# Altium PCB Mainboard.PcbDoc (part 3 of 4) (continued)
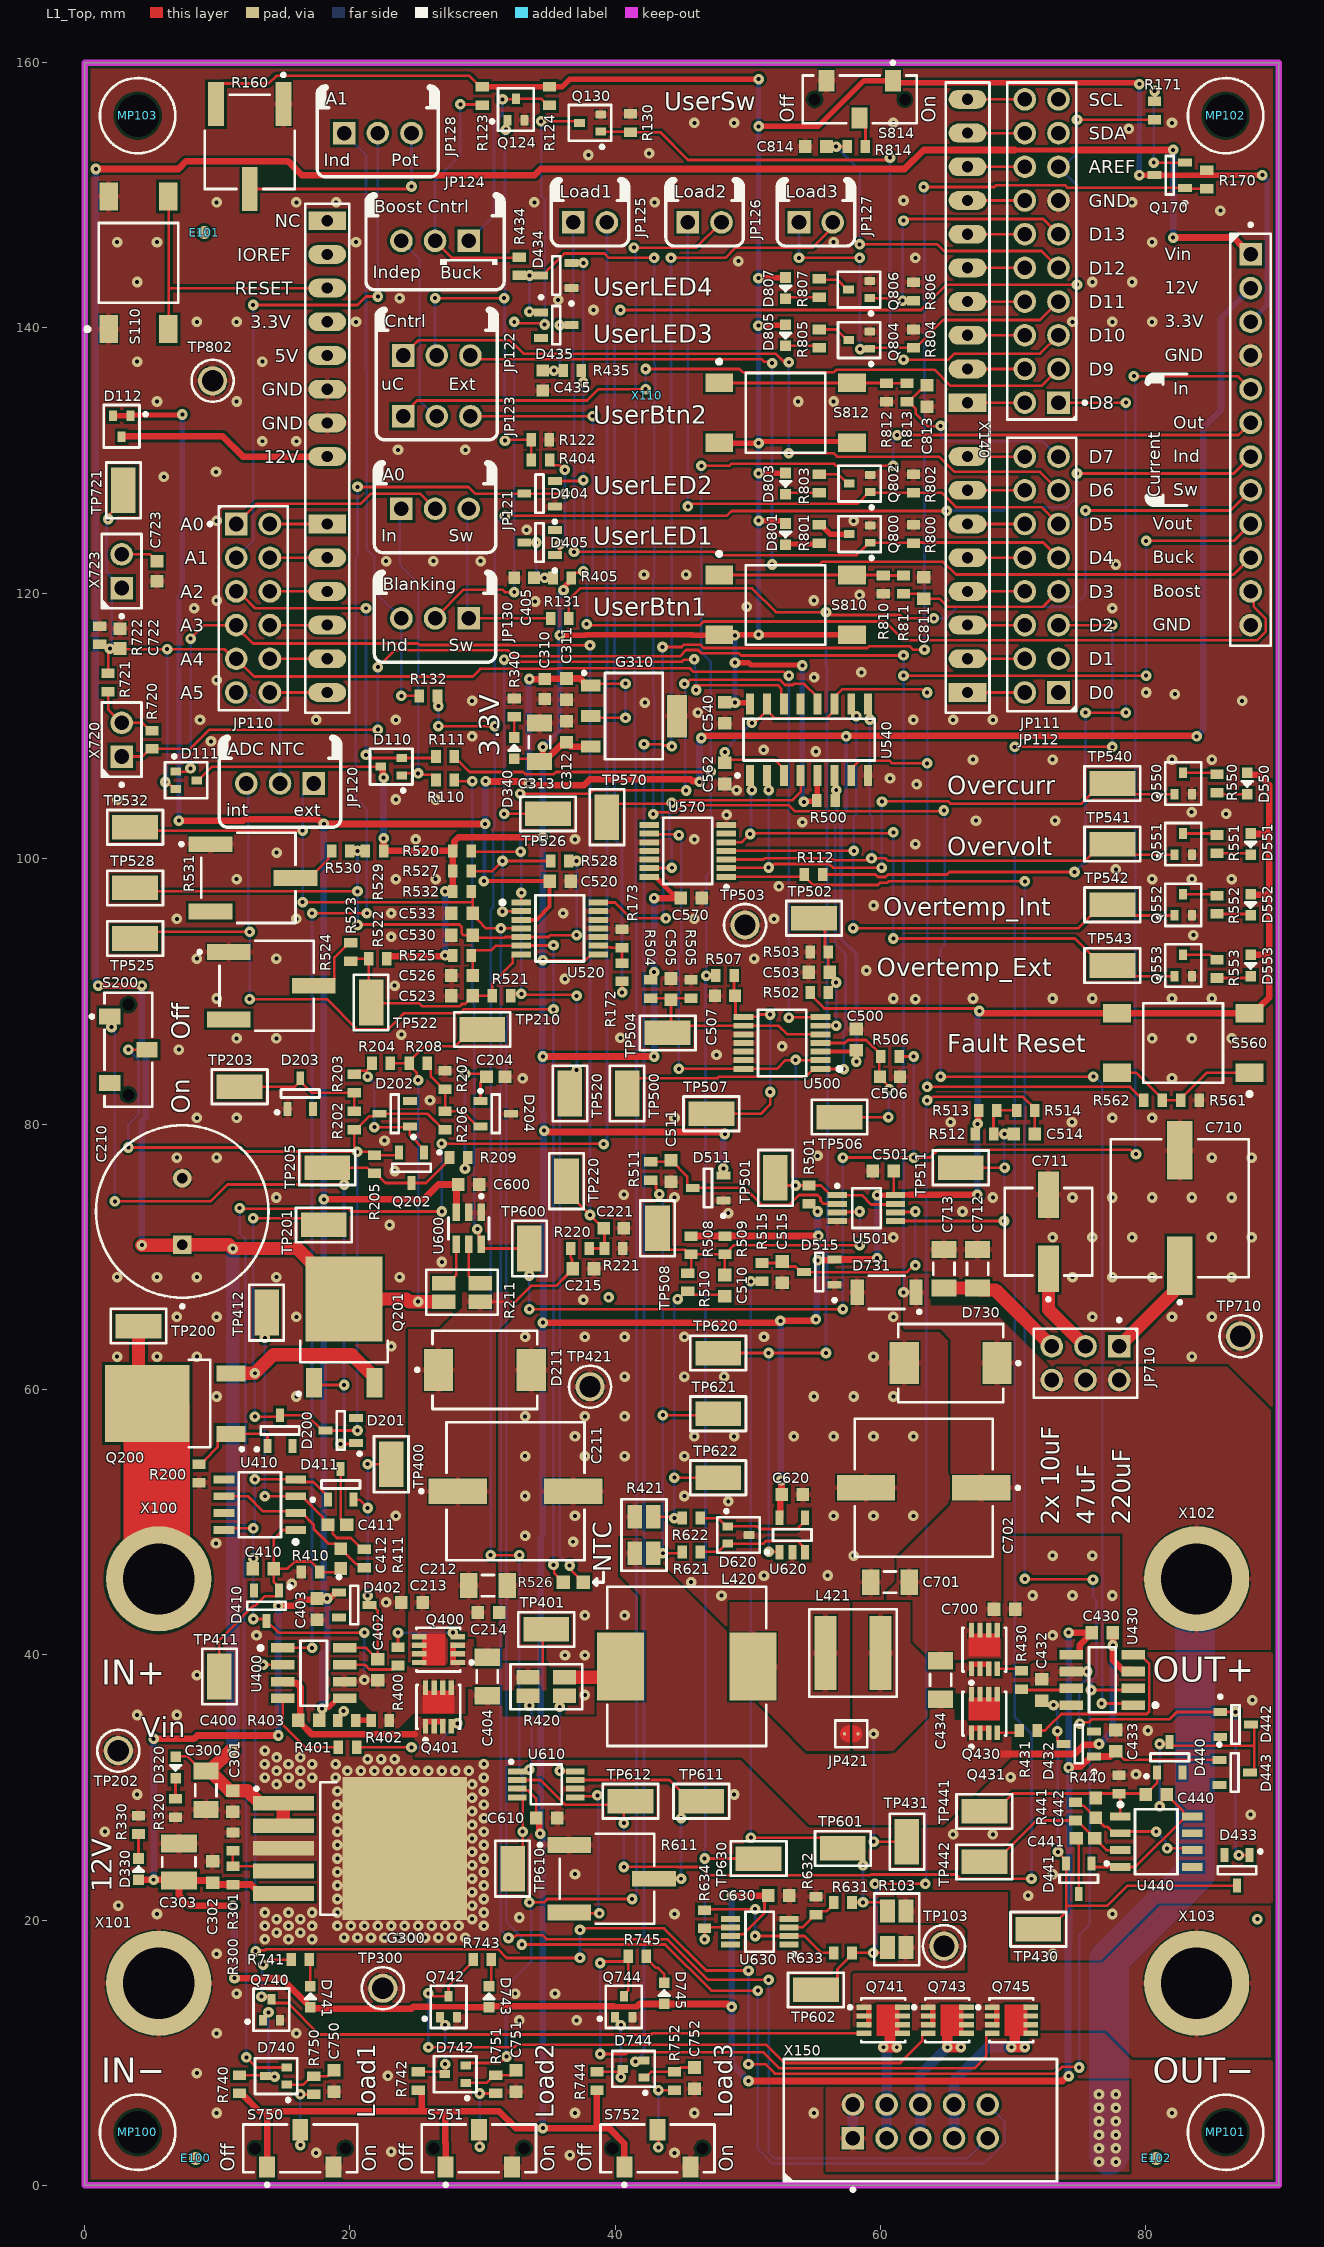
[diagram p0: L1_Top view]
## Nets (pads, with @x,y where several pads share a name; then routed paths per layer and width w, separated by ;. In a path a pad name is that pad's centre, name@x,y a point inside that pad or via, vN(x,y) a via of type N, cw(c..) or ccw(c..) an arc to the next point about the centre after c; other vN are vias at no path point) (continued)
  L14_Bot w0.2: v1(35.371,136.779) 35.533,136.779 35.787,137.033 35.814,137.033 v1(35.814,140.208)
NetC441_2: C441.2 D441.3 | length 4.3
  L1_Top w0.2: C441.2@74.738,26.162 74.93,25.97 D441.3@74.93,21.964
NetC710_1: C710.1 JP710.1 | length 8
  L1_Top w1: JP710.1@77.978,63.246 82.1,67.368 82.1,68.86 C710.1@82.55,69.31
NetC711_1: C711.1 JP710.3 | length 7
  L1_Top w1: C711.1@72.644,69.082 72.644,66.04 JP710.3@75.438,63.246
NetC712_2: C712.2 C713.2 JP710.5 | length 9.9
  L1_Top w1: C713.2@64.77,67.638 C712.2@67.31,67.638 67.46,67.488 68.656,67.488 JP710.5@72.898,63.246
NetC723_2: C723.2 X723.2 | length 2.9
  L1_Top w0.2: X723.2@2.794,122.936 4.941,122.936 C723.2@5.461,122.416
NetD112_3: D112.3 X110.8A | length 16.1
  L1_Top w0.5: D112.3@2.844,131.826 10.414,131.826 11.938,130.302 X110.8A@18.288,130.302
NetD320_1: D320.1 R320.2 | length 1.6
  L1_Top w0.2: R320.2@6.858,29.138 D320.1@6.858,30.734
NetD330_1: D330.1 R330.2 | length 1.9
  L1_Top w0.2: D330.1@4.064,24.638 R330.2@4.064,26.488
NetD340_1: D340.1 R340.2 | length 1.6
  L1_Top w0.2: D340.1@32.385,109.131 R340.2@32.385,110.689
NetD550_1: D550.1 R550.1 | length 2.3
  L1_Top w0.2: R550.1@85.344,104.974 85.454,104.864 D550.1@87.63,104.864
NetD551_1: D551.1 R551.1 | length 2.6
  L1_Top w0.2: R551.1@85.344,100.402 87.774,100.402 D551.1@87.884,100.292
NetD552_1: D552.1 R552.1 | length 2.6
  L1_Top w0.2: R552.1@85.344,95.83 87.774,95.83 D552.1@87.884,95.72
NetD553_1: D553.1 R553.1 | length 2.6
  L1_Top w0.2: R553.1@85.344,91.004 87.74,91.004 D553.1@87.884,91.148
NetD740_3: D740.3 Q740.1 R740.1 | length 8.5
  L1_Top w0.2: R740.1@11.684,8.31 13.562,8.31 13.632,8.24 D740.3@13.64,8.24 13.69,8.19 v1(14.32,8.19) ; Q740.1@13.432,12.446 13.432,12.546 13.866,12.98 v1(13.866,13.046)
  L14_Bot w0.2: v1(13.866,13.046) 13.866,8.727 14.32,8.273 v1(14.32,8.19)
NetD741_1: D741.1 R741.2 | length 2
  L1_Top w0.2: R741.2@16.946,17.018 17.018,16.946 D741.1@17.018,15.024
NetD742_3: D742.3 Q742.1 R742.1 | length 6.5
  L1_Top w0.2: R742.1@25.146,8.564 26.958,8.564 D742.3@27.14,8.382 27.178,8.42 v1(27.178,9.144) ; Q742.1@26.782,12.662 26.782,12.562 27.178,12.166 v1(27.178,12.08)
  L14_Bot w0.2: v1(27.178,9.144) v1(27.178,12.08)
NetD743_1: D743.1 R743.2 | length 2.1
  L1_Top w0.2: D743.1@30.48,15.024 30.662,15.206 R743.2@30.662,17.018
NetD744_3: D744.3 Q744.1 R744.1 | length 7
  L1_Top w0.2: R744.1@38.608,8.564 D744.3@40.25,8.564 ; Q744.1@39.99,12.662 39.99,12.562 40.418,12.134 v1(40.418,12.08) ; v1(40.418,8.16) 40.418,8.732 D744.3@40.464,8.778
  L14_Bot w0.2: v1(40.418,8.16) v1(40.418,12.08)
NetD745_1: D745.1 R745.2 | length 2.6
  L1_Top w0.2: R745.2@42.346,17.272 42.346,17.137 43.079,16.404 43.215,16.404 43.688,15.93 D745.1@43.688,15.278
NetD801_1: D801.1 R801.1 | length 2.6
  L1_Top w0.4: D801.1@52.832,123.66 52.887,123.715 55.317,123.715 R801.1@55.372,123.77
NetD803_1: D803.1 R803.1 | length 2.6
  L1_Top w0.2: D803.1@52.832,127.47 52.942,127.58 R803.1@55.372,127.58
NetD805_1: D805.1 R805.1 | length 2.6
  L1_Top w0.2: D805.1@52.832,138.646 55.228,138.646 R805.1@55.372,138.502
NetD807_1: D807.1 R807.1 | length 2.6
  L1_Top w0.2: D807.1@52.832,142.202 52.942,142.312 R807.1@55.372,142.312
NetJP110_2: JP110.2 X110.1B | length 5.1
  L1_Top w0.2: JP110.2@13.208,125.222 X110.1B@18.288,125.222
NetJP110_4: JP110.4 X110.2B | length 5.1
  L1_Top w0.2: JP110.4@13.208,122.682 X110.2B@18.288,122.682
NetJP110_6: JP110.6 X110.3B | length 5.1
  L1_Top w0.2: JP110.6@13.208,120.142 X110.3B@18.288,120.142
NetJP110_8: JP110.8 X110.4B | length 5.1
  L1_Top w0.2: JP110.8@13.208,117.602 X110.4B@18.288,117.602
NetJP110_10: JP110.10 X110.5B | length 5.1
  L1_Top w0.2: JP110.10@13.208,115.062 X110.5B@18.288,115.062
NetJP110_12: JP110.12 X110.6B | length 5.1
  L1_Top w0.2: JP110.12@13.208,112.522 X110.6B@18.288,112.522
NetJP111_1: JP111.1 R112.2 | length 63.1
  L1_Top w0.2: R112.2@55.626,98.806 59.595,98.806 59.784,98.617 60.364,98.617 60.553,98.806 65.017,98.806 65.207,98.996 v1(74.614,98.996) ; JP111.1@73.406,134.366 v1(78.486,134.366) ; v1(75.438,110.998) v1(78.486,110.998)
  L14_Bot w0.2: v1(74.614,98.996) v1(74.614,98.996) 75.438,99.822 v1(75.438,110.998) ; v1(78.486,110.998) v1(78.486,134.366)
NetJP111_2: JP111.2 X110.1C | length 5.1
  L1_Top w0.2: X110.1C@66.548,134.366 JP111.2@71.628,134.366
NetJP111_4: JP111.4 X110.2C | length 5.1
  L1_Top w0.2: X110.2C@66.548,136.906 JP111.4@71.628,136.906
NetJP111_6: JP111.6 X110.3C | length 5.1
  L1_Top w0.2: X110.3C@66.548,139.446 JP111.6@71.628,139.446
NetJP111_8: JP111.8 X110.4C | length 5.1
  L1_Top w0.2: X110.4C@66.548,141.986 JP111.8@71.628,141.986
NetJP111_10: JP111.10 X110.5C | length 5.1
  L1_Top w0.2: X110.5C@66.548,144.526 JP111.10@71.628,144.526
NetJP111_12: JP111.12 X110.6C | length 5.1
  L1_Top w0.2: X110.6C@66.548,147.066 JP111.12@71.628,147.066
NetJP111_14: JP111.14 X110.7C | length 5.1
  L1_Top w0.2: X110.7C@66.548,149.606 JP111.14@71.628,149.606
NetJP111_16: JP111.16 X110.8C | length 5.1
  L1_Top w0.2: X110.8C@66.548,152.146 JP111.16@71.628,152.146
NetJP111_18: JP111.18 X110.9C | length 5.1
  L1_Top w0.2: X110.9C@66.548,154.686 JP111.18@71.628,154.686
NetJP111_20: JP111.20 X110.10C | length 5.1
  L1_Top w0.2: X110.10C@66.548,157.226 JP111.20@71.628,157.226
NetJP112_2: JP112.2 X110.1D | length 5.1
  L1_Top w0.2: X110.1D@66.548,112.522 JP112.2@71.628,112.522
NetJP112_4: JP112.4 X110.2D | length 5.1
  L1_Top w0.2: X110.2D@66.548,115.062 JP112.4@71.628,115.062
NetJP112_6: JP112.6 X110.3D | length 5.1
  L1_Top w0.2: X110.3D@66.548,117.602 JP112.6@71.628,117.602
NetJP112_8: JP112.8 X110.4D | length 5.1
  L1_Top w0.2: X110.4D@66.548,120.142 JP112.8@71.628,120.142
NetJP112_10: JP112.10 X110.5D | length 5.1
  L1_Top w0.2: X110.5D@66.548,122.682 JP112.10@71.628,122.682
NetJP112_12: JP112.12 X110.6D | length 5.1
  L1_Top w0.2: X110.6D@66.548,125.222 JP112.12@71.628,125.222
NetJP112_14: JP112.14 X110.7D | length 5.1
  L1_Top w0.2: X110.7D@66.548,127.762 JP112.14@71.628,127.762
NetJP112_16: JP112.16 X110.8D | length 4.3
  L1_Top w0.2: X110.8D@66.548,130.302 JP112.16@70.866,130.302
NetJP421_1: JP421.1 L420.2 L421.1 | length 1.4
  L1_Top w1: L420.2@50.386,39.116 L420.2@51.402,38.1
NetL420_1: L420.1 R420.2 | length 4.7
  L1_Top w1: R420.2@36.093,38.292 39.562,38.292 L420.1@40.386,39.116 ; L420.1@40.578,39.054 L420.1@40.64,39.116
NetQ170_1: Q170.1 R170.2 U520.14 | length 102.6
  L1_Top w0.2: U520.14@38.714,96.692 39.986,96.692 41.174,95.504 v1(43.815,95.504) ; v1(43.561,115.951) 45.002,115.951 45.179,116.128 46.406,116.128 46.658,115.876 59.006,115.876 59.146,116.016 62.157,116.016 62.421,115.752 v1(63.308,115.752) ; v1(63.246,150.622) 68.578,150.622 68.712,150.756 73.882,150.756 74.077,150.561 Q170.1@82.938,150.561 83.004,150.495 R170.2@84.582,150.495
  L14_Bot w0.2: v1(43.561,115.951) 43.561,99.024 43.626,98.959 43.626,95.758 43.815,95.569 v1(43.815,95.504) ; v1(63.246,150.622) 63.311,150.557 63.311,131.286 63.308,131.283 v1(63.308,115.752)
NetQ170_2: Q170.2 R171.2 | length 8.6
  L1_Top w0.2: v1(80.584,152.461) Q170.2@82.938,152.461 ; R171.2@80.645,157.082 v1(80.645,157.861)
  L14_Bot w0.2: v1(80.584,152.461) 80.584,157.8 v1(80.645,157.861)
NetQ400_4: Q400.4 R400.1 | length 5.7
  L1_Top w0.2: R400.1@23.622,40.568 v1(23.622,41.656) ; v1(27.757,41.669) 27.757,41.645 28.041,41.361 Q400.4@28.12,41.361
  L14_Bot w0.2: v1(23.622,41.656) 23.629,41.663 27.751,41.663 v1(27.757,41.669)
NetQ401_4: Q401.4 R401.1 | length 8.3
  L1_Top w0.2: R401.1@20.502,33.02 v1(24.638,33.02)
  L14_Bot w0.2: v1(24.638,33.02) 26.294,33.02 v1(28.099,34.825)
NetQ430_4: Q430.4 R430.2 | length 1.9
  L1_Top w0.2: Q430.4@68.793,38.936 70.466,38.936 R430.2@70.612,38.79
NetQ431_4: Q431.4 R431.2 | length 1.7
  L1_Top w0.2: Q431.4@68.793,34.11 70.25,34.11 R431.2@70.43,34.29
NetQ550_3: Q550.3 R550.2 | length 2.6
  L1_Top w0.2: Q550.3@82.804,106.464 85.234,106.464 R550.2@85.344,106.354
NetQ551_3: Q551.3 R551.2 | length 2.5
  L1_Top w0.2: Q551.3@82.804,101.892 R551.2@85.344,101.892
NetQ552_3: Q552.3 R552.2 | length 2.6
  L1_Top w0.2: Q552.3@82.804,97.32 85.234,97.32 R552.2@85.344,97.21
NetQ553_3: Q553.3 R553.2 | length 2.7
  L1_Top w0.2: Q553.3@82.804,92.748 84.845,92.748 85.209,92.384 R553.2@85.344,92.384
NetQ740_3: Q740.3 Q741.4 R741.1 | length 51.4
  L1_Top w0.2: v1(13.335,14.224) 13.882,14.224 13.931,14.175 13.931,14.097 14.282,13.746 15.318,13.746 17.684,11.38 42.717,11.38 42.808,11.471 Q741.4@58.748,11.471 ; v1(13.462,16.637) 13.843,17.018 R741.1@15.566,17.018
  L14_Bot w0.2: v1(13.335,14.224) 13.399,14.287 13.399,16.573 v1(13.462,16.637)
NetQ742_3: Q742.3 Q743.4 R743.1 | length 48.7
  L1_Top w0.2: v1(25.908,10.414) 32.388,10.414 32.58,10.606 51.37,10.606 52.752,9.224 61.468,9.224 63.124,10.88 63.124,11.371 63.224,11.471 Q743.4@63.574,11.471 ; v1(25.908,14.478) 26.07,14.478 26.286,14.262 Q742.3@27.432,14.262 27.432,15.033 29.282,16.883 R743.1@29.282,17.018
  L14_Bot w0.2: v1(25.908,10.414) v1(25.908,14.478)
NetQ744_3: Q744.3 Q745.4 R745.1 | length 44.4
  L1_Top w0.2: v1(38.862,9.906) 40.795,9.906 40.917,10.028 51.186,10.028 52.39,8.824 67.056,8.824 67.95,9.718 67.95,11.371 68.05,11.471 Q745.4@68.4,11.471 ; v1(38.862,16.764) 38.975,16.877 40.706,16.877 R745.1@40.966,17.137 ; Q744.3@40.64,14.262 40.64,14.362 40.966,14.688 R745.1@40.966,17.137 ; R745.1@40.966,17.272 R745.1@40.966,17.137
  L14_Bot w0.2: v1(38.862,9.906) v1(38.862,16.764)
NetQ800_3: Q800.3 R801.2 | length 2.5
  L1_Top w0.4: R801.2@55.372,125.15 55.507,125.15 56.197,124.46 Q800.3@57.62,124.46
NetQ802_3: Q802.3 R803.2 | length 2.5
  L1_Top w0.2: R803.2@55.372,128.96 56.83,128.96 57.52,128.27 Q802.3@57.62,128.27
NetQ804_3: Q804.3 R805.2 | length 2.5
  L1_Top w0.2: R805.2@55.372,139.882 56.68,139.882 57.482,139.08 Q804.3@57.582,139.08
NetQ806_3: Q806.3 R807.2 | length 2.5
  L1_Top w0.2: R807.2@55.372,143.692 55.427,143.637 56.729,143.637 57.474,142.892 Q806.3@57.574,142.892
NetR172_2: R172.2 R173.2 U520.9 | length 3
  L1_Top w0.2: U520.9@38.714,93.442 38.839,93.317 39.691,93.317 39.718,93.29 R173.2@40.513,93.29 40.511,93.288 R172.2@40.511,92.128
NetR400_2: R400.2 U400.7 | length 4.3
  L1_Top w0.2: U400.7@19.612,39.243 21.118,39.243 21.474,38.887 23.186,38.887 23.487,39.188 R400.2@23.622,39.188
NetR401_2: R401.2 U400.4 | length 6.9
  L1_Top w0.2: U400.4@14.932,36.703 14.932,34.725 16.637,33.02 R401.2@19.122,33.02
NetR402_2: R402.2 R403.1 | length 1.1
  L1_Top w0.4: R403.1@20.447,35.052 R402.2@21.59,35.052
NetR430_1: R430.1 U430.7 | length 3.8
  L1_Top w0.2: R430.1@70.612,37.41 70.684,37.338 74.241,37.338 U430.7@74.368,37.465
NetR431_1: R431.1 U430.4 | length 14.1
  L1_Top w0.2: R431.1@71.81,34.29 72.378,34.29 72.668,34.58 73.623,35.535 75.766,35.535 78.034,35.535 80.062,35.535 80.238,35.711 80.238,39.345 79.578,40.005 U430.4@79.048,40.005
NetR523_2: R523.2 R524.2 | length 5.1
  L1_Top w0.2: R524.2@17.272,90.424 18.327,90.424 18.822,90.919 18.822,92.545 19.931,93.654 R523.2@20.066,93.654
NetR526_1: R526.1 W500.1 | length 38
  L1_Top w0.2: v1@36.322,46.724 v1(36.564,46.724) ; v1@36.443,46.603 R526.1@37.58,45.466
  L14_Bot w0.2: W500.1@35.814,82.559 35.814,82.042 35.814,47.474 v1(36.564,46.724)
NetR530_2: R530.2 R531.2 | length 3.8
  L1_Top w0.2: R531.2@15.9,98.552 16.955,98.552 18.354,99.951 18.354,100.324 R530.2@18.614,100.584
NetR561_2: R561.2 R562.1 S560.1 S560.2 | length 11.9
  L1_Top w0.2: S560.2@77.804,83.856 79.275,83.856 81.208,81.923 R562.1@81.208,81.788 R561.2@82.622,81.788 82.622,81.923 84.555,83.856 S560.1@87.804,83.856
NetR750_1: R750.1 S750.2 | length 6
  L1_Top w0.2: v1(16.256,3.048) S750.2@16.256,4.194 ; v1(16.256,6.858) R750.1@17.272,6.858
  L14_Bot w0.2: v1(16.256,3.048) v1(16.256,6.858)
NetR751_1: R751.1 S751.2 | length 6.5
  L1_Top w0.2: S751.2@29.718,4.194 29.773,4.139 v1(29.773,2.917) ; v1(29.773,6.93) R751.1@30.988,6.93
  L14_Bot w0.2: v1(29.773,2.917) v1(29.773,6.93)
NetR752_1: R752.1 S752.2 | length 6.9
  L1_Top w0.2: S752.2@43.18,4.194 43.252,4.122 v1(43.252,2.866) ; v1(43.252,7.184) R752.1@44.45,7.184
  L14_Bot w0.2: v1(43.252,2.866) v1(43.252,7.184)
NetR810_2: R810.2 R811.2 S810.1 S810.2 | length 13.9
  L1_Top w0.2: S810.1@47.832,121.376 S810.2@57.832,121.376 60.162,121.376 R810.2@60.198,121.34 R811.2@61.722,121.34
NetR812_2: R812.2 R813.2 S812.1 S812.2 | length 14.2
  L1_Top w0.2: S812.1@47.832,135.854 S812.2@57.832,135.854 60.416,135.854 R812.2@60.452,135.818 R813.2@61.976,135.818
NetR814_2: R814.2 S814.2 | length 2.2
  L1_Top w0.2: S814.2@58.674,155.826 58.856,155.644 R814.2@58.856,153.67
NetW100_1: W100.1 X150.10 | length 123.8
  L1_Top w0.2: v1(32.955,18.161) 43.757,18.161 47.236,14.682 v1(50.75,14.682)
  L14_Bot w0.2: W100.1@31.877,87.131 31.877,87.073 31.769,86.965 31.769,19.891 32.932,18.728 32.932,18.184 v1(32.955,18.161) ; v1(50.75,14.682) 50.75,2.73 51.829,1.651 67.793,1.651 69.342,3.2 69.342,4.826 X150.10@68.072,6.096
Netw-: R720.1 R721.1 X720.2 | length 5.3
  L1_Top w0.2: R721.1@1.778,112.594 1.778,111.252 X720.2@2.794,110.236 4.365,110.236 4.945,109.656 R720.1@5.08,109.656
NINV_TLV197: R631.2 R632.2 U630.3 | length 4.3
  L1_Top w0.2: U630.3@53.086,19.446 54.111,19.446 54.723,20.058 54.723,20.132 54.983,20.392 R632.2@55.118,20.392 55.378,20.652 55.911,20.652 56.46,21.201 R631.2@56.46,21.336
NTC_Arduino: JP110.11 JP120.2 | length 9.3
  L14_Bot w0.2: JP110.11@11.43,112.522 11.666,112.286 12.58,112.286 13.428,111.438 13.487,111.379 13.843,111.379 ccw(c13.97,112.522) 14.097,111.379 14.351,111.379 14.732,110.998 JP120.2@14.732,105.664
NTC_ext: C533.2 JP120.1 R532.2 TP532.1 U520.4 X150.9 | length 168.3
  L1_Top w0.2: TP532.1@3.81,102.362 4.064,102.108 v1(16.438,102.108) ; v1(16.438,96.719) 29.248,96.719 ; R532.2@29.138,97.536 29.248,97.426 29.248,96.719 ; C533.2@29.248,95.758 29.248,95.733 29.623,95.358 29.648,95.358 30.264,94.742 v1(31.369,94.742) U520.4@32.914,94.742 ; C533.2@29.248,96.012 29.248,96.719 ; v1(31.955,18.649) 32.07,18.764 32.441,18.764 32.538,18.861 34.498,18.861 34.798,18.561 43.923,18.561 43.942,18.542 46.99,15.494 v1(51.562,15.494)
  L14_Bot w0.2: v1(16.438,96.719) v1(16.438,102.108) 16.438,104.83 JP120.1@17.272,105.664 ; v1(31.369,94.742) 31.369,19.235 v1(31.955,18.649) ; v1(51.562,15.494) 51.562,2.484 51.995,2.051 66.567,2.051 X150.9@68.072,3.556
NTC_Ext_Thresh: C530.2 R528.1 R529.1 R530.1 TP528.1 U520.5 | length 45.8
  L1_Top w0.2: TP528.1@3.81,97.536 v1(20.574,97.536) ; v1(20.574,94.996) 20.612,95.034 28.247,95.034 28.423,94.858 28.423,94.351 28.54,94.234 C530.2@29.248,94.234 29.44,94.042 31.659,94.042 31.709,94.092 U520.5@32.914,94.092 34.974,94.092 35.116,94.234 v1(37.084,94.234) ; R528.1@36.504,99.822 v1(37.084,99.822)
  L14_Bot w0.2: v1(20.574,94.996) v1(20.574,97.536) v1(20.574,100.584) ; v1(37.084,94.234) v1(37.084,99.822)
NTC_int: C526.2 JP120.3 R525.2 R526.2 TP525.1 U520.6 | length 106.2
  L1_Top w0.2: TP525.1@3.81,93.98 4.318,94.488 v1(12.446,94.488) ; v1(12.446,89.408) 18.262,89.408 20.541,87.129 22.867,87.129 24.085,88.347 28.298,88.347 28.597,88.646 v1(35.344,88.646) ; C526.2@29.248,91.186 29.248,92.6 R525.2@29.138,92.71 29.138,92.845 29.398,93.105 30.663,93.105 31,93.442 U520.6@32.914,93.442 32.929,93.457 35.329,93.457 v1(35.344,93.472) ; v1(35.344,46.774) 35.397,46.721 35.397,46.149 R526.2@36.08,45.466
  L14_Bot w0.2: JP120.3@12.192,105.664 12.331,105.525 12.331,94.603 v1(12.446,94.488) v1(12.446,89.408) ; v1(35.344,46.774) v1(35.344,88.646) v1(35.344,93.472)
NTC_Int_Thresh: C523.2 R521.1 R522.1 R523.1 TP522.1 U520.7 | length 19
  L1_Top w0.2: R523.1@20.248,92.456 R522.1@21.408,92.456 21.408,90.496 20.828,89.916 21.653,89.091 25.236,89.091 25.465,88.862 28.247,88.862 28.431,89.046 28.657,89.046 29.248,89.637 C523.2@29.248,89.662 R521.1@30.734,89.662 30.734,90.597 32.264,92.127 32.264,92.667 32.389,92.792 U520.7@32.914,92.792
Out_555_Boost: C441.1 R441.1 TP442.1 U440.3 | length 12.5
  L1_Top w0.2: TP442.1@67.818,24.384 68.618,24.384 71.738,27.504 R441.1@74.676,27.504 74.811,27.504 75.738,26.577 75.738,26.537 76.113,26.162 C441.1@76.138,26.162 76.163,26.162 76.538,25.787 76.538,25.762 77.027,25.273 U440.3@78.072,25.273
Out_555_Buck: C411.2 R411.1 TP412.1 U410.3 | length 23.4
  L1_Top w0.2: v1(13.589,51.943) U410.3@15.908,51.943 16.383,51.943 17.95,50.376 17.95,50.159 18.325,49.784 C411.2@18.35,49.784 18.692,49.442 18.692,49.126 19.017,48.802 20.079,48.802 20.947,47.934 R411.1@21.082,47.934 ; v1(13.589,63.881) 13.589,65.659 TP412.1@13.716,65.786
  L14_Bot w0.2: v1(13.589,51.943) v1(13.589,63.881)
Out_Curr_ADC: D110.2 JP110.5 R111.1 | length 27.6
  L1_Top w0.2: JP110.5@10.668,120.142 10.904,119.906 11.818,119.906 12.852,118.872 v1(21.211,118.872) ; v1(21.211,107.825) 21.373,107.825 21.613,107.584 D110.2@23.914,107.584 26.376,107.584 R111.1@26.488,107.696
  L14_Bot w0.2: v1@21.177,118.905 v1(21.211,118.872) v1(21.211,107.825)
Out_Curr_Filtr: C507.2 R507.1 TP507.1 U500.8 | length 17.3
  L1_Top w0.2: TP507.1@47.244,80.772 50.974,80.772 51.674,81.472 51.674,81.572 v1(51.674,82.408) ; R507.1@48.95,91.186 48.95,89.772 49.06,89.662 49.06,88.181 49.185,88.056 U500.8@49.678,88.056 49.703,88.081 50.728,88.081 50.897,88.25 v1(51.674,88.25)
  L14_Bot w0.2: v1(51.674,82.408) v1(51.674,88.25)
Out_neg: Q741.1 Q741.2 Q741.3 Q743.1 Q743.2 Q743.3 Q745.1 Q745.2 Q745.3 R103.1 X103.1
Output_Current: R111.2 R507.2 R634.2 TP630.1 U630.6 X140.6 | length 183.2
  L1_Top w0.2: R111.2@27.868,107.696 27.868,107.561 28.128,107.301 28.263,107.301 29.028,106.536 33.045,106.536 33.216,106.365 35.364,106.365 35.535,106.536 v1(47.2,106.536) ; v1(46.482,129.602) 48.602,129.602 48.77,129.77 56.469,129.77 56.637,129.602 v1(60.96,129.602) ; v1(46.736,18.542) R634.2@46.736,19.376 46.806,19.446 U630.6@48.686,19.446 ; v1(46.736,24.638) TP630.1@50.8,24.638 ; v1(46.863,91.186) R507.2@47.57,91.186 ; v1(61.241,131.926) 86.968,131.926 X140.6@87.884,132.842
  L14_Bot w0.2: v1(46.482,129.602) 46.482,115.533 47.2,114.815 v1(47.2,106.536) 47.2,99.029 46.863,98.693 v1(46.863,91.186) 46.799,91.122 46.799,25.463 46.736,25.4 v1(46.736,24.638) v1(46.736,18.542) ; v1(60.96,129.602) 60.96,131.483 61.241,131.764 v1(61.241,131.926)
Overcurr: TP570.1 U540.4 U570.13 | length 23.5
  L1_Top w0.2: TP570.1@39.37,103.124 39.37,103.315 40.195,104.14 44.196,104.14 44.376,104.32 44.826,104.32 44.919,104.413 53.359,104.413 53.975,105.029 U540.4@53.975,106.266 ; U570.13@42.566,99.284 42.581,99.299 44.246,99.299 v1(44.261,99.314)
  L14_Bot w0.2: v1(44.261,99.314) 44.261,101.307 44.086,101.482 44.086,103.868 44.261,104.043 v1(44.261,104.205)
Overtemp_Ext: R527.2 R528.2 TP526.1 U520.2 U540.14 | length 55.1
  L1_Top w0.2: R527.2@29.138,99.06 30.734,99.06 v1(31.496,99.822) R528.2@35.124,99.822 ; v1(31.496,96.012) 31.511,96.027 32.899,96.027 U520.2@32.914,96.042 ; v1(31.626,103.378) TP526.1@34.925,103.378 ; v1(31.626,115) 31.788,115 31.937,114.851 45.033,114.851 45.182,115 45.923,115 v1(45.951,115.028) ; v1@45.974,113.072 45.985,113.061 45.985,112.826 v1(46.099,112.711) ; v1@46.099,113.072 52.25,113.072 52.505,112.817 52.505,111.866 U540.14@52.705,111.666
  L14_Bot w0.2: v1(31.496,96.012) v1(31.496,99.822) 31.561,99.887 31.561,103.313 v1(31.626,103.378) 31.623,103.381 31.623,114.997 v1(31.626,115) ; v1(45.951,115.028) 45.999,114.979 45.999,114.3 46.099,114.2 v1(46.099,112.711)
Overtemp_Int: R520.2 R521.2 TP520.1 U520.1 U540.12 | length 64.2
  L1_Top w0.2: R520.2@29.138,100.584 29.2,100.522 v1(32.872,100.522) ; R521.2@32.114,89.662 32.262,89.81 v1(32.914,89.81) 32.988,89.736 v1@37.084,89.736 ; v1(32.835,104.903) 38.075,104.903 38.328,105.156 45.314,105.156 v1(45.334,105.136) ; U520.1@32.914,96.692 v1(32.914,97.43) ; TP520.1@36.576,82.296 36.576,83.566 v1(37.084,84.074) ; v1(45.212,113.172) 45.329,113.172 45.629,113.472 52.416,113.472 52.796,113.092 53.376,113.092 53.456,113.172 54.239,113.172 55.245,112.166 U540.12@55.245,111.666
  L14_Bot w0.2: v1(32.835,104.903) 32.853,104.884 32.853,100.541 v1(32.872,100.522) v1(32.872,100.522) 32.914,100.478 v1(32.914,97.43) v1(32.914,89.81) ; v1(37.084,84.074) v1(37.084,89.662) ; v1(45.212,113.172) 45.274,113.11 45.274,105.196 v1(45.334,105.136)
Overvolt: R500.2 TP500.1 U500.1 U540.6 | length 40
  L1_Top w0.2: TP500.1@40.894,82.296 40.894,82.631 41.719,83.456 47.702,83.456 47.812,83.566 54.363,83.566 54.953,84.156 U500.1@55.478,84.156 55.49,84.144 57.195,84.144 v1(57.207,84.131) ; U540.6@56.515,106.266 56.7,106.081 56.654,106.035 v1(56.654,105.156)
  L14_Bot w0.2: v1(56.654,105.156) 56.7,105.11 56.7,103.437 56.573,103.31 56.573,93.607 57.352,92.828 57.352,87.116 57.207,86.972 v1(57.207,84.131)
Overvoltage_Gate: D202.1 Q202.1 R203.1 R204.1 | length 11.4
  L1_Top w0.2: R203.1@20.32,83.748 20.58,84.008 21.223,84.008 ; v1(21.336,83.566) 21.223,83.679 21.223,84.008 ; R204.1@21.662,84.582 21.662,84.447 21.223,84.008 ; v1(21.844,79.756) 24.452,79.756 D202.1@24.518,79.822 24.518,79.153 25.588,78.083 Q202.1@25.588,77.858
  L14_Bot w0.2: v1(21.336,83.566) 21.844,83.058 v1(21.844,79.756)
Pwr_Gate: D201.1 Q201.1 Q202.3 R205.1 R209.2 S200.1 TP205.1 | length 66
  L1_Top w0.2: v1(2.286,74.168) 9.497,74.168 10.767,75.438 v1(19.558,75.438) 19.558,75.883 18.733,76.708 21.273,76.708 21.709,76.272 21.979,76.272 22.693,75.558 Q202.3@24.638,75.558 25.727,75.558 27.504,77.335 R209.2@27.504,77.47 ; Q201.1@17.278,60.502 17.455,60.325 v1(19.558,60.325) ; v1(19.304,55.88) 20.388,55.88 D201.1@20.454,55.946
  L14_Bot w0.2: v1(2.032,87.305) 2.032,87.143 2.286,86.889 v1(2.286,74.168) ; v1(19.304,55.88) 19.558,56.134 v1(19.558,60.325) v1(19.558,75.438)
Reset: S110.3 S110.4 X110.3A | length 22
  L1_Top w0.2: S110.3@6.314,139.907 6.35,139.943 6.35,143.002 ; S110.4@6.314,149.907 6.35,149.871 6.35,143.002 ; X110.3A@18.288,143.002 6.35,143.002
RevPolGate: D200.1 Q200.1 R200.2 | length 6.7
  L1_Top w0.2: R200.2@8.636,54.356 8.771,54.356 9.031,54.616 9.031,54.655 10.024,55.648 10.024,56.148 10.524,56.648 Q200.1@11.024,56.648 13.582,56.648 13.782,56.448 D200.1@13.782,56.254
SC_Overcurr_Filtr: C515.2 D515.3 R515.2 U501.6 | length 17.7
  L1_Top w0.2: R515.2@51.054,69.524 52.468,69.524 C515.2@52.578,69.634 52.953,69.259 53.572,69.259 53.997,68.834 61.988,68.834 62.496,69.342 v1(62.611,69.342) ; U501.6@61.128,73.335 61.163,73.371 62.576,73.371 v1(62.611,73.406)
  L14_Bot w0.2: v1(62.611,69.342) v1(62.611,73.406)
SC_Overcurr_Thresh: C514.2 R512.2 R513.1 R514.1 TP511.1 U501.5 | length 23.1
  L1_Top w0.2: U501.5@61.128,72.685 v1(69.301,72.685) ; TP511.1@66.04,76.708 v1(69.342,76.708) ; C514.2@70.138,79.138 C514.2@70.028,79.248 v1(69.322,79.248) R512.2@68.508,79.248 68.508,80.772 R513.1@68.762,81.026 R514.1@70.248,81.026
  L14_Bot w0.2: v1(69.301,72.685) 69.342,72.726 69.322,72.746 v1(69.322,79.248)
SW_Curr+: R421.3 R511.1 R621.2 TP621.1 | length 34.7
  L1_Top w0.2: R421.3@42.864,47.647 v1(43.583,47.647) 44.925,47.647 R621.2@45.03,47.752 ; R511.1@42.926,75.692 43.067,75.551 43.067,75.128 43.326,74.869 v1(43.326,74.707) ; v1(43.583,58.061) 47.647,58.061 TP621.1@47.752,58.166
  L14_Bot w0.2: v1(43.326,74.707) 43.326,74.545 43.583,74.287 v1(43.583,58.061) v1(43.583,47.647)
SW_Curr+_Clamp: D620.2 R621.1 U620.3 | length 8.8
  L1_Top w0.2: R621.1@46.41,47.752 47.756,47.752 48.376,48.372 D620.2@48.476,48.372 51.17,48.372 51.37,48.572 53.764,48.572 54.09,48.246 54.09,47.922 U620.3@54.29,47.722
SW_Curr-: C510.1 R421.4 R510.2 R622.2 TP622.1 | length 26.7
  L1_Top w0.2: R421.4@42.864,50.397 44.925,50.397 R622.2@45.03,50.292 v1(44.45,50.292) ; v1(44.45,53.34) TP622.1@47.752,53.34 ; v1(44.704,66.802) 44.751,66.802 45.331,67.382 R510.2@45.466,67.382 45.726,67.122 48.156,67.122 C510.1@48.26,67.018
  L14_Bot w0.2: v1(44.45,50.292) v1(44.45,53.34) 44.45,66.548 v1(44.704,66.802)
SW_Curr-_Clamp: D620.1 R622.1 U620.4 | length 8.7
  L1_Top w0.2: R622.1@46.41,50.292 47.756,50.292 48.376,49.672 D620.1@48.476,49.672 50.695,49.672 50.895,49.472 53.69,49.472 54.29,50.072 U620.4@54.29,50.322
SW_Curr_Filtr: C511.2 D511.3 R511.2 U501.2 | length 16.6
  L1_Top w0.2: R511.2@42.672,77.144 44.086,77.144 C511.2@44.196,77.254 44.221,77.254 45.415,76.06 45.415,75.384 45.615,75.184 D511.3@45.84,75.184 49.758,75.184 51.021,73.921 53.119,73.921 53.844,74.646 55.229,74.646 55.466,74.409 55.466,74.222 55.703,73.985 U501.2@56.728,73.985
SW_Curr_Thresh: C510.2 R508.2 R509.1 R510.1 TP508.1 U501.3 | length 24.1
  L1_Top w0.2: TP508.1@43.18,72.136 43.18,71.336 44.005,70.511 45.25,70.511 45.585,70.176 R508.2@45.72,70.176 ; R510.1@45.466,68.762 45.72,69.016 R508.2@45.72,70.176 ; C510.2@48.26,68.618 R509.1@48.26,70.176 ; U501.3@56.728,73.335 56.763,73.371 58.385,73.371 v1(58.42,73.406) ; v1(58.42,70.866) 48.95,70.866 R509.1@48.26,70.176 ; R508.2@45.72,70.176 R509.1@48.26,70.176
  L14_Bot w0.2: v1(58.42,70.866) v1(58.42,73.406)
SW_Current: R131.2 TP620.1 U620.1 X140.8 | length 142.5
  L1_Top w0.2: R131.2@36.504,118.11 36.504,119.522 37.358,120.376 50.312,120.376 52.112,118.576 v1(55.88,118.576) 56.042,118.576 56.249,118.369 61.463,118.369 61.722,118.11 v1(64.008,118.11) ; TP620.1@47.689,63.563 47.752,63.5 TP620.1@47.752,62.738 v1(51.562,62.738) v1(55.88,62.738) ; v1(51.562,47.752) 52.36,47.752 U620.1@52.39,47.722 ; v1(75.438,126.238) 86.36,126.238 X140.8@87.884,127.762
  L14_Bot w0.2: v1(51.562,47.752) v1(51.562,62.738) ; v1(55.88,62.738) 55.88,67.318 55.954,67.392 55.954,71.23 56,71.276 56,84.504 55.952,84.552 55.952,99.485 55.954,99.488 55.954,114.421 55.88,114.495 v1(55.88,118.576) ; v1(64.008,118.11) 64.915,118.11 65.797,118.992 74.542,118.992 75.438,119.888 v1(75.438,126.238)
SW_Current_ADC: JP121.3 JP130.1 R131.1 | length 14.5
  L1_Top w0.2: JP130.1@28.956,118.11 R131.1@35.124,118.11
  L14_Bot w0.2: JP121.3@28.829,126.365 28.829,118.237 JP130.1@28.956,118.11
Switch1: C750.2 D740.1 R750.2 | length 4
  L1_Top w0.2: D740.1@15.24,7.59 16.489,7.59 17.137,8.238 R750.2@17.272,8.238 18.335,8.238 18.771,8.674 C750.2@18.796,8.674